# Altium PCB Print.PcbDoc (part 2 of 2)
Units mm, origin at the board's own origin, x right, y up, seen from the top; angles counter-clockwise.
Board outline 140 x 145 mm, 2 copper layers (Top Layer, Bottom Layer), stack 1.57 mm thick; 112 components, 85 nets, 532 pads, 64 vias.
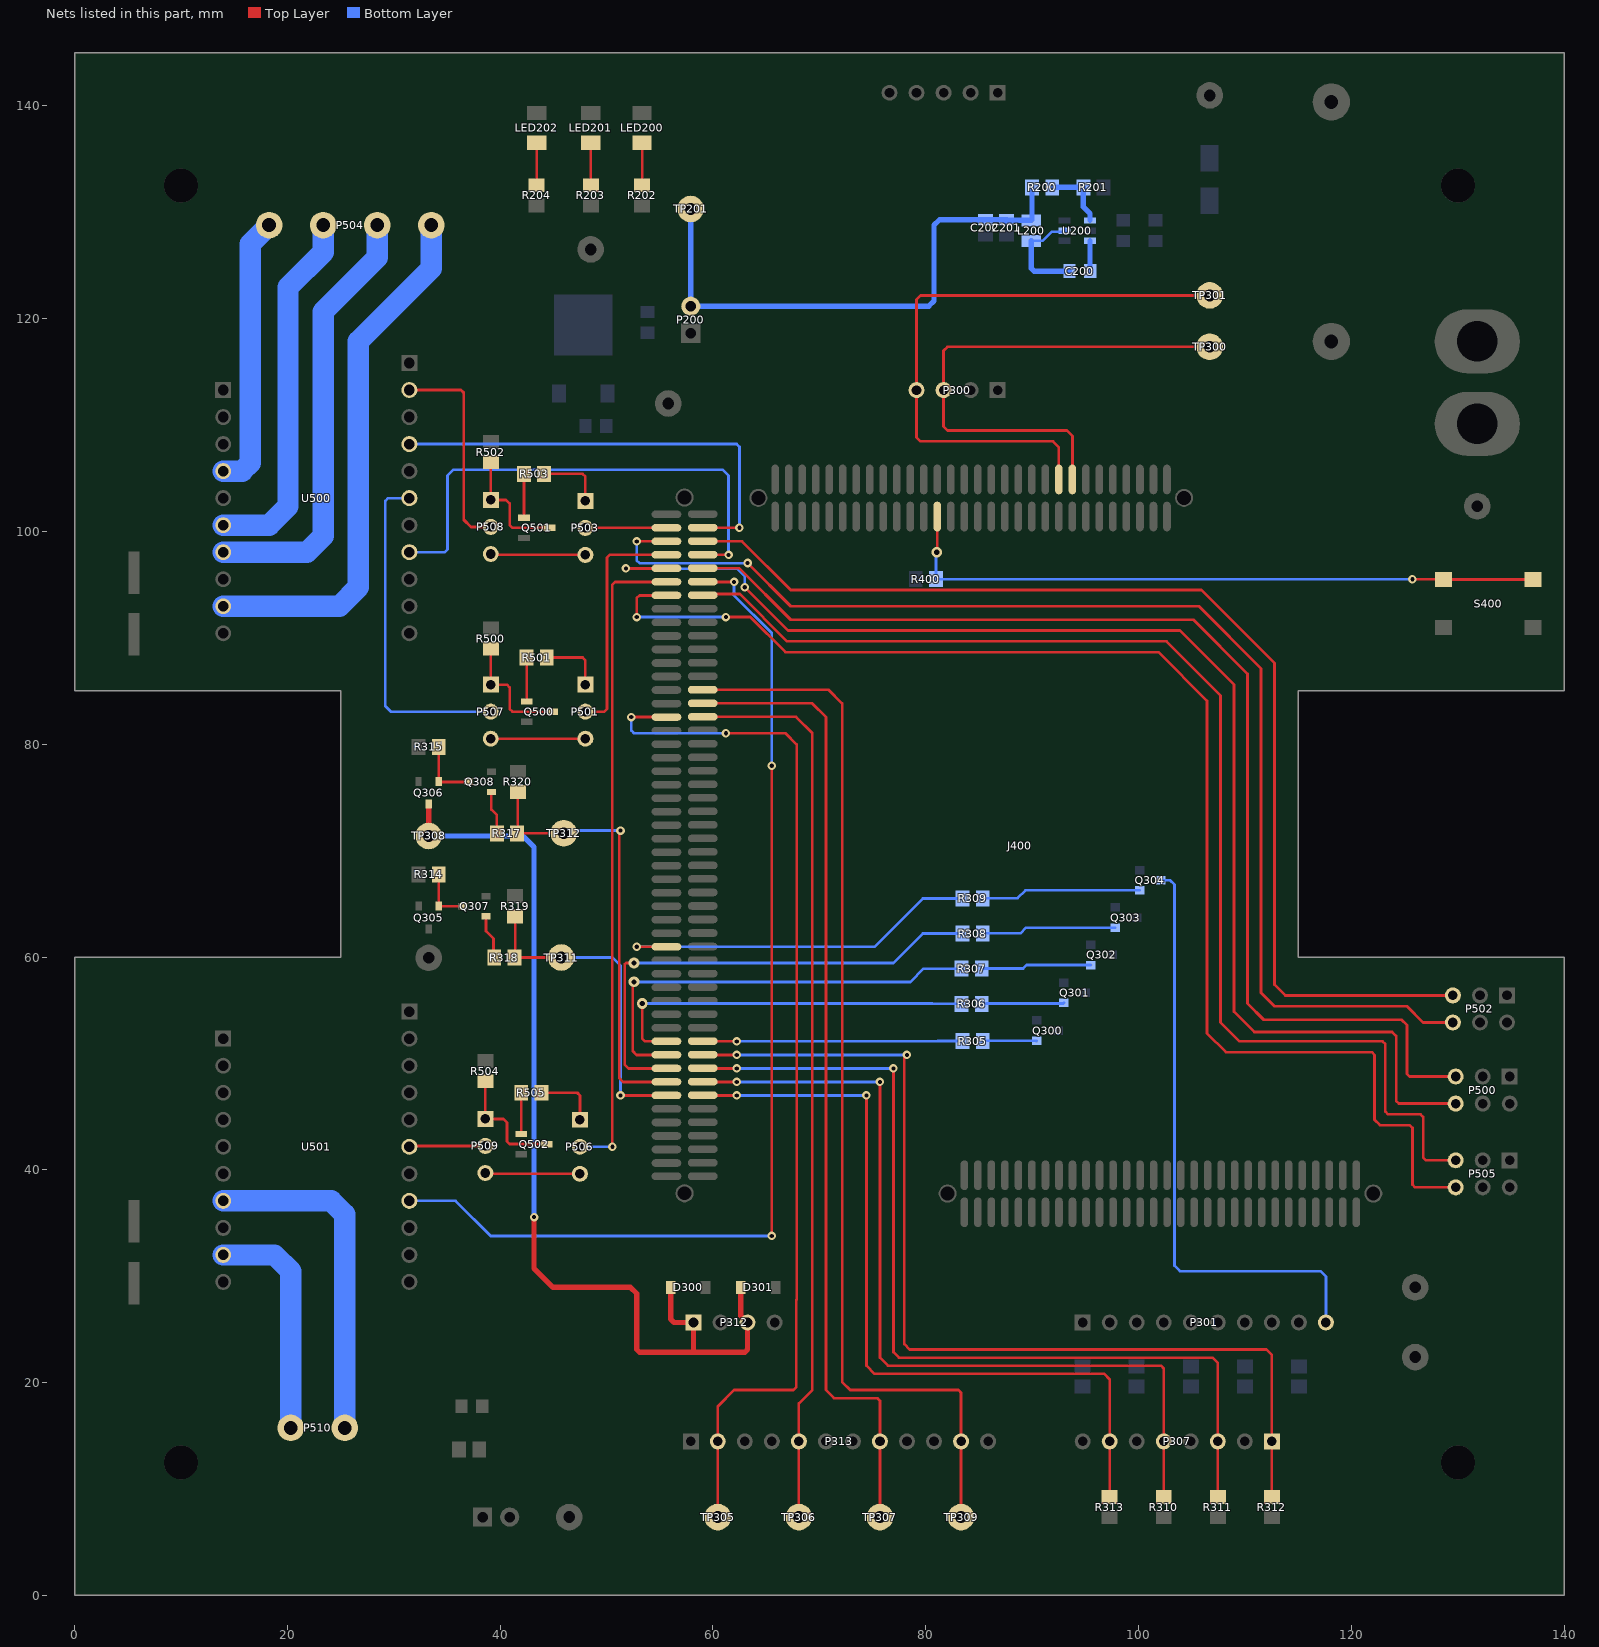
[diagram p2: the nets of this part, all layers, seen from the top]

## Via types
v1: diameter 0.8, hole 0.4, Top Layer to Bottom Layer, 49 vias
v2: diameter 1, hole 0.5, Top Layer to Bottom Layer, 15 vias

## Nets (pads, with @x,y where several pads share a name; then routed paths per layer and width w, separated by ;. In a path a pad name is that pad's centre, name@x,y a point inside that pad or via, vN(x,y) a via of type N, cw(c..) or ccw(c..) an arc to the next point about the centre after c; other vN are vias at no path point) (continued)
LED5-: P301.10 Q304.3 | length 56.2
  Bottom Layer w0.254: Q304.3@102.092,67.216 102.964,67.216 103.378,66.802 103.378,30.988 103.886,30.48 117.094,30.48 117.602,29.972 P301.10@117.602,25.654
LED_1: J400.80 R305.1 | length 24.4
  Top Layer w0.254: J400.80@59.03,52.095 59.055,52.07 v1(62.23,52.07)
  Bottom Layer w0.254: v1(62.23,52.07) 81.075,52.07 81.105,52.1 R305.1@83.45,52.1
LED_2: J400.79 R306.1 | length 35.7
  Top Layer w0.254: v2(53.34,55.626) 53.34,52.324 53.594,52.07 J400.79@55.626,52.07
  Bottom Layer w0.254: v2(53.34,55.626) 80.6,55.626 80.626,55.6 R306.1@83.35,55.6
LED_3: J400.81 R307.1 | length 41.1
  Top Layer w0.254: v2(52.578,57.658) 52.459,57.539 52.459,51.173 52.832,50.8 J400.81@55.626,50.8
  Bottom Layer w0.254: v2(52.578,57.658) 78.542,57.658 79.784,58.9 R307.1@83.35,58.9
LED_4: J400.83 R308.1 | length 46.4
  Top Layer w0.254: v2(52.578,59.436) 51.816,59.436 51.697,59.317 51.697,49.903 52.07,49.53 J400.83@55.626,49.53
  Bottom Layer w0.254: v2(52.578,59.436) 76.962,59.436 79.726,62.2 R308.1@83.45,62.2
LED_5: J400.65 R309.1 | length 35.3
  Top Layer w0.254: v1(52.832,60.96) J400.65@55.626,60.96
  Bottom Layer w0.254: v1(52.832,60.96) 75.184,60.96 79.724,65.5 R309.1@83.45,65.5
MAGNET_ON/OFF: J400.85 R317.2 R320.2 TP312.1 | length 41.5
  Top Layer w0.254: R317.2@41.59,71.628 TP312.1@45.974,71.628 ; R317.2@41.656,71.694 R320.2@41.656,75.504 ; v1(51.308,71.882) 51.189,71.763 51.189,48.633 51.562,48.26 J400.85@55.626,48.26
  Bottom Layer w0.254: TP312.1@45.974,71.628 46.228,71.882 v1(51.308,71.882)
ML_ENC_A: J400.9 P500.6 | length 125
  Top Layer w0.254: v1(51.816,96.52) J400.9@55.626,96.52 ; v1@62.992,94.488 v1(62.992,94.742) 67.056,90.678 103.886,90.678 108.966,85.598 108.966,54.864 110.871,52.959 123.825,52.959 124.206,52.578 124.206,46.482 124.46,46.228 P500.6@129.794,46.228
  Bottom Layer w0.254: v1@51.835,96.501 62.249,96.501 62.992,95.758 v1(62.992,94.742)
ML_ENC_B: J400.10 P500.5 | length 111.4
  Top Layer w0.254: J400.10@59.03,96.545 62.459,96.545 67.31,91.694 105.156,91.694 110.236,86.614 110.236,55.626 111.76,54.102 124.714,54.102 125.222,53.594 125.222,49.022 125.476,48.768 P500.5@129.794,48.768
ML_PWM1+: P504.1 U500.19 | length 50.3
  Bottom Layer w2: U500.19@13.97,92.964 24.892,92.964 26.67,94.742 26.67,117.856 33.528,124.714 P504.1@33.528,128.778
ML_PWM1-: P504.2 U500.17 | length 41.3
  Bottom Layer w2: U500.17@13.97,98.044 21.844,98.044 23.368,99.568 23.368,120.65 28.448,125.73 P504.2@28.448,128.778
ML_PWM+: J400.8 U500.28 | length 47.4
  Top Layer w0.254: J400.8@59.03,97.815 59.055,97.79 v1(61.468,97.79)
  Bottom Layer w0.254: U500.28@31.47,98.044 34.798,98.044 35.052,98.298 35.052,105.252 35.6,105.8 60.9,105.8 61.449,105.251 61.449,97.809 v1(61.468,97.79)
ML_PWM-: J400.7 P501.2 | length 22.1
  Top Layer w0.254: P501.2@48.006,83.058 49.784,83.058 50.038,83.312 50.038,97.536 50.292,97.79 J400.7@55.626,97.79
ML_PWM-_GESCH.: P507.2 U500.26 | length 31.8
  Bottom Layer w0.254: U500.26@31.47,103.124 29.464,103.124 29.21,102.87 29.21,83.566 29.718,83.058 P507.2@39.116,83.058
ML_PWM-_LAD: P507.1 Q500.3 R500.1 | length 11.4
  Top Layer w0.254: R500.1@39.116,88.966 P507.1@39.116,85.598 40.64,85.598 40.894,85.344 40.894,83.312 41.148,83.058 Q500.3@44.888,83.058
ML_PWM-_MAGD: P501.3 P507.3 | length 8.9
  Top Layer w0.254: P507.3@39.116,80.518 P501.3@48.006,80.518
MR_ENC_A: J400.5 P502.6 | length 117.1
  Top Layer w0.254: v1(52.832,99.06) J400.5@55.626,99.06 ; v1(63.246,97.028) 67.31,92.964 105.664,92.964 111.506,87.122 111.506,56.642 112.776,55.372 125.222,55.372 126.746,53.848 P502.6@129.54,53.848
  Bottom Layer w0.254: v1(52.832,99.06) 52.832,97.282 53.105,97.009 63.227,97.009 v1(63.246,97.028)
MR_ENC_B: J400.6 P502.5 | length 105.9
  Top Layer w0.254: J400.6@59.03,99.085 59.055,99.06 62.738,99.06 67.31,94.488 105.918,94.488 112.776,87.63 112.776,57.404 113.792,56.388 P502.5@129.54,56.388
MR_PWM2+: P504.3 U500.16 | length 34.6
  Bottom Layer w2: U500.16@13.97,100.584 18.288,100.584 20.066,102.362 20.066,122.936 23.368,126.238 P504.3@23.368,128.778
MR_PWM2-: P504.4 U500.14 | length 25.9
  Bottom Layer w2: U500.14@13.97,105.664 15.748,105.664 16.51,106.426 16.51,127 P504.4@18.288,128.778
MR_PWM+: J400.4 U500.24 | length 42.2
  Top Layer w0.254: J400.4@59.03,100.355 59.055,100.33 v1(62.484,100.33)
  Bottom Layer w0.254: U500.24@31.47,108.204 62.23,108.204 62.484,107.95 v1(62.484,100.33)
MR_PWM-: J400.3 P503.2 | length 7.6
  Top Layer w0.254: P503.2@48.006,100.33 J400.3@55.626,100.33
MR_PWM-_GESCH.: P508.2 U500.22 | length 20
  Top Layer w0.254: U500.22@31.47,113.284 36.322,113.284 36.576,113.03 36.576,101.092 37.252,100.416 P508.2@39.116,100.416
MR_PWM-_LAD: P508.1 Q501.3 R502.1 | length 11.3
  Top Layer w0.254: R502.1@39.116,106.492 P508.1@39.116,102.956 40.554,102.956 40.894,102.616 40.894,100.584 41.148,100.33 Q501.3@44.634,100.33
MR_PWM-_MAGD: P503.3 P508.3 | length 8.9
  Top Layer w0.254: P508.3@39.116,97.876 39.202,97.79 P503.3@48.006,97.79
MV_ENC_A: J400.13 P505.6 | length 128.8
  Top Layer w0.254: v1(52.832,91.948) 52.832,93.726 53.086,93.98 J400.13@55.626,93.98 ; v1(61.214,91.948) 63.5,91.948 66.802,88.646 101.854,88.646 106.426,84.074 106.426,52.832 108.204,51.054 121.92,51.054 122.174,50.8 122.174,44.704 122.682,44.196 125.476,44.196 125.73,43.942 125.73,38.608 125.984,38.354 P505.6@129.794,38.354
  Bottom Layer w0.254: v1(52.832,91.948) v1(61.214,91.948)
MV_ENC_B: J400.14 P505.5 | length 116.8
  Top Layer w0.254: J400.14@59.03,94.005 59.131,94.107 62.522,94.107 66.967,89.662 102.616,89.662 107.696,84.582 107.696,53.848 109.474,52.07 122.936,52.07 123.19,51.816 123.19,45.466 123.444,45.212 126.492,45.212 126.746,44.958 126.746,41.148 127,40.894 P505.5@129.794,40.894
MV_PWM3+: P510.2 U501.19 | length 21.7
  Bottom Layer w2: U501.19@13.97,32.004 18.796,32.004 20.32,30.48 P510.2@20.32,15.748
MV_PWM3-: P510.1 U501.17 | length 32
  Bottom Layer w2: U501.17@13.97,37.084 24.13,37.084 25.4,35.814 P510.1@25.4,15.748
MV_PWM+: J400.12 U501.28 | length 101.4
  Top Layer w0.254: J400.12@59.03,95.275 59.055,95.25 v1(61.976,95.25) ; v1(65.532,33.782) v1(65.532,77.978)
  Bottom Layer w0.254: U501.28@31.47,37.084 35.814,37.084 39.116,33.782 v1(65.532,33.782) ; v1@61.995,95.231 v1(61.976,95.25) 61.976,93.98 65.532,90.424 v1(65.532,77.978)
MV_PWM-: J400.11 P506.2 | length 61.1
  Top Layer w0.254: v1(50.546,42.164) 50.527,42.183 50.527,72.205 50.546,72.225 50.546,94.996 50.8,95.25 J400.11@55.626,95.25
  Bottom Layer w0.254: P506.2@47.498,42.164 v1(50.546,42.164)
MV_PWM-_GESCH.: P509.2 U501.26 | length 7.1
  Top Layer w0.254: U501.26@31.55,42.244 P509.2@38.608,42.244
MV_PWM-_LAD: P509.1 Q502.3 R504.1 | length 11.3
  Top Layer w0.254: R504.1@38.608,48.326 P509.1@38.608,44.784 40.306,44.784 40.64,44.45 40.64,42.672 40.894,42.418 Q502.3@44.38,42.418
MV_PWM-_MAGD: P506.3 P509.3 | length 8.9
  Top Layer w0.254: P509.3@38.608,39.704 38.688,39.624 P506.3@47.498,39.624
NetC200_1: C200.1 U200.6 | length 2.9
  Bottom Layer w0.5: U200.6@95.434,127.32 95.434,124.489 C200.1@95.463,124.46
NetC200_2: C200.2 L200.1 U200.2 | length 9.9
  Bottom Layer w0.254: L200.1@89.916,127.305 90.983,127.305 91.844,128.166 U200.2@93.034,128.166
  Bottom Layer w0.5: L200.1@89.916,127.305 89.916,124.714 90.17,124.46 C200.2@93.513,124.46 ; U200.2@93.034,128.166 U200.2@93.034,128.27
NetC201_1: C201.1 C202.1 L200.2 P200.2 R200.2 TP201.1 | length 52.1
  Bottom Layer w0.5: TP201.1@57.9,130.3 57.912,130.288 P200.2@57.912,121.158 80.264,121.158 80.772,121.666 80.772,128.778 81.28,129.286 85.332,129.286 85.383,129.235 85.422,129.274 C202.1@85.598,129.274 C201.1@87.594,129.274 ; C201.1@87.376,129.02 87.591,129.235 L200.2@89.916,129.235 ; L200.2@89.982,129.301 R200.2@89.982,132.334
NetD300_1: D300.1 D301.1 P312.1 P312.3 Q306.1 TP308.1 | length 93.6
  Top Layer w0.5: TP308.1@33.274,71.374 Q306.1@33.274,74.363 ; v1(43.18,35.56) 43.18,30.734 44.958,28.956 52.244,28.956 52.832,28.368 52.832,23.114 53.086,22.86 58.1,22.86 ; D300.1@56.016,28.956 56.016,25.984 56.346,25.654 P312.1@58.166,25.654 58.166,22.926 58.1,22.86 ; D301.1@62.62,28.956 62.62,26.28 P312.3@63.246,25.654 63.246,23.114 62.992,22.86 58.1,22.86
  Bottom Layer w0.5: TP308.1@33.274,71.374 42.132,71.374 43.18,70.326 v1(43.18,35.56)
NetJ400_225: J400.225 R400.1 S400.0 | length 61.9
  Top Layer w0.254: v2@81.077,98.095 J400.225@81.077,101.397 ; v1(125.73,95.504) 128.628,95.504 S400.0@128.662,95.47 S400.0@137.062,95.47
  Bottom Layer w0.254: v2@80.96,97.978 R400.1@80.96,95.504 v1(125.73,95.504)
  other v2: 81.026,98.044
NetLED200_2: LED200.2 R202.1 | length 4
  Top Layer w0.254: R202.1@53.34,132.522 LED200.2@53.34,136.522
NetLED201_2: LED201.2 R203.1 | length 4
  Top Layer w0.254: R203.1@48.514,132.522 LED201.2@48.514,136.522
NetLED202_2: LED202.2 R204.1 | length 4
  Top Layer w0.254: R204.1@43.434,132.522 LED202.2@43.434,136.522
NetP501_1: P501.1 R501.2 | length 6
  Top Layer w0.254: R501.2@44.384,88.138 47.752,88.138 48.006,87.884 P501.1@48.006,85.598
NetP503_1: P503.1 R503.2 | length 6.3
  Top Layer w0.254: R503.2@44.13,105.41 47.752,105.41 48.006,105.156 P503.1@48.006,102.87
NetP506_1: P506.1 R505.2 | length 6
  Top Layer w0.254: R505.2@43.876,47.244 47.244,47.244 47.498,46.99 P506.1@47.498,44.704
NetQ300_1: Q300.1 R305.2 | length 5.2
  Bottom Layer w0.254: R305.2@85.35,52.1 85.383,52.133 Q300.1@90.44,52.133 Q300.1@90.377,52.07
NetQ301_1: Q301.1 R306.2 | length 7.8
  Bottom Layer w0.254: R306.2@85.25,55.6 85.276,55.626 92.917,55.626 Q301.1@92.98,55.689
NetQ302_1: Q302.1 R307.2 | length 10.4
  Bottom Layer w0.254: R307.2@85.25,58.9 85.278,58.928 89.154,58.928 89.471,59.245 Q302.1@95.52,59.245
NetQ303_1: Q303.1 R308.2 | length 12.7
  Bottom Layer w0.254: R308.2@85.35,62.2 85.38,62.23 88.9,62.23 89.424,62.754 Q303.1@97.806,62.754
NetQ304_1: Q304.1 R309.2 | length 15.2
  Bottom Layer w0.254: R309.2@84.836,65.532 R309.2@85.024,65.532 ; R309.2@85.35,65.5 85.382,65.532 88.632,65.532 89.363,66.263 Q304.1@100.092,66.263
NetQ305_3: Q305.3 Q307.1 R314.1 | length 5.3
  Top Layer w0.254: Q305.3@34.232,64.775 R314.1@34.232,67.764 ; Q305.3@34.237,64.77 Q307.1@36.525,64.77
NetQ306_3: Q306.3 Q308.1 R315.1 | length 6
  Top Layer w0.254: Q306.3@34.224,76.513 R315.1@34.224,79.756 ; Q306.3@34.283,76.454 Q308.1@37.025,76.454
NetQ307_3: Q307.3 R318.1 | length 4.1
  Top Layer w0.254: Q307.3@38.675,63.82 38.675,62.425 39.378,61.722 R318.1@39.378,60.018
NetQ308_3: Q308.3 R317.1 | length 4.1
  Top Layer w0.254: Q308.3@39.175,75.504 39.175,73.855 39.69,73.34 R317.1@39.69,71.628
NetQ500_1: Q500.1 R501.1 | length 4.1
  Top Layer w0.254: Q500.1@42.484,84.012 R501.1@42.484,88.138
NetQ501_1: Q501.1 R503.1 | length 4.1
  Top Layer w0.254: R503.1@42.23,105.41 42.23,101.284 Q501.1@42.234,101.28
NetQ502_1: Q502.1 R505.1 | length 3.9
  Top Layer w0.254: R505.1@41.976,47.244 41.976,43.372 Q502.1@41.98,43.368
NetR200_1: R200.1 R201.2 U200.4 | length 6.3
  Bottom Layer w0.5: R200.1@91.882,132.334 R201.2@94.808,132.334 94.808,130.49 95.434,129.864 U200.4@95.434,129.22
OPT_1: J400.31 P313.2 TP305.1 | length 99.6
  Top Layer w0.254: v1(52.324,82.55) J400.31@55.626,82.55 ; TP305.1@60.452,7.366 P313.2@60.452,14.478 60.452,17.78 61.976,19.304 67.564,19.304 67.818,19.558 67.818,27.751 67.865,27.798 67.865,79.963 66.802,81.026 v1(61.214,81.026)
  Bottom Layer w0.254: v1(52.324,82.55) 52.324,81.28 52.578,81.026 v1(61.214,81.026)
OPT_2: J400.32 P313.5 TP306.1 | length 85.1
  Top Layer w0.254: J400.32@59.03,82.575 67.793,82.575 69.342,81.026 69.342,19.304 68.072,18.034 P313.5@68.072,14.478 TP306.1@68.072,7.366
OPT_3: J400.30 P313.8 TP307.1 | length 91.8
  Top Layer w0.254: J400.30@59.03,83.845 69.317,83.845 70.612,82.55 70.612,19.304 71.374,18.542 75.438,18.542 75.692,18.288 P313.8@75.692,14.478 TP307.1@75.692,7.366
OPT_4: J400.28 P313.11 TP309.1 | length 100.7
  Top Layer w0.254: J400.28@59.03,85.115 70.841,85.115 72.136,83.82 72.136,20.066 72.898,19.304 83.058,19.304 83.312,19.05 P313.11@83.312,14.478 TP309.1@83.312,7.366
OPT_ON/OFF: J400.87 R318.2 R319.2 TP311.1 | length 30.6
  Top Layer w0.254: R318.2@41.344,59.952 TP311.1@45.728,59.952 ; R318.2@41.41,60.018 R319.2@41.41,63.82 ; v1(51.308,46.99) J400.87@55.626,46.99
  Bottom Layer w0.254: TP311.1@45.728,59.952 50.538,59.952 51.308,59.182 v1(51.308,46.99)
SCHALTER1+: J400.88 P307.7 R313.2 | length 75.3
  Top Layer w0.254: J400.88@59.03,47.015 59.055,46.99 v1(62.23,46.99) ; v1(74.422,46.99) 74.422,21.59 75.184,20.828 96.774,20.828 97.282,20.32 P307.7@97.282,14.478 R313.2@97.282,9.248
  Bottom Layer w0.254: v1(62.23,46.99) v1(74.422,46.99)
TASTER1+: J400.86 P307.5 R310.2 | length 81.8
  Top Layer w0.254: J400.86@59.03,48.285 59.055,48.26 v1(62.23,48.26) ; v1(75.692,48.26) 75.692,22.352 76.454,21.59 102.108,21.59 102.362,21.336 P307.5@102.362,14.478 R310.2@102.362,9.248
  Bottom Layer w0.254: v1(62.23,48.26) v1(75.692,48.26)
TASTER2+: J400.84 P307.3 R311.2 | length 88.1
  Top Layer w0.254: J400.84@59.03,49.555 59.055,49.53 v1(62.23,49.53) ; v1(76.962,49.53) 76.962,22.86 77.47,22.352 106.934,22.352 107.442,21.844 P307.3@107.442,14.478 R311.2@107.442,9.248
  Bottom Layer w0.254: v1(62.23,49.53) 76.911,49.53 76.937,49.555 v1(76.962,49.53)
TASTER3+: J400.82 P307.1 R312.2 | length 94.8
  Top Layer w0.254: J400.82@59.03,50.825 59.055,50.8 v1(62.23,50.8) ; v1(78.232,50.8) 77.978,50.546 77.978,23.622 78.486,23.114 112.014,23.114 112.522,22.606 P307.1@112.522,14.478 R312.2@112.522,9.248
  Bottom Layer w0.254: v1(62.23,50.8) v1(78.232,50.8)
WIFI_RX: J400.246 P300.3 TP300.1 | length 48.9
  Top Layer w0.254: J400.246@93.777,104.877 93.777,108.966 93.269,109.474 82.042,109.474 81.668,109.848 P300.3@81.668,113.282 81.668,116.974 82.042,117.348 TP300.1@106.68,117.348
WIFI_TX: J400.244 P300.4 TP301.1 | length 57.5
  Top Layer w0.254: J400.244@92.507,104.877 92.507,107.899 91.948,108.458 79.502,108.458 79.128,108.832 P300.4@79.128,113.282 79.128,121.8 79.502,122.174 TP301.1@106.68,122.174
pads on no net: J400. J400.15 J400.16 J400.17 J400.18 J400.19 J400.20 J400.21 J400.22 J400.23 J400.24 J400.25 J400.26 J400.27 J400.33 J400.34 J400.35 J400.36 J400.37 J400.38 J400.39 J400.40 J400.41 J400.42 J400.43 J400.44 J400.45 J400.46 J400.47 J400.48 J400.49 J400.50 J400.51 J400.52 J400.53 J400.54 J400.55 J400.56 J400.57 J400.58 J400.59 J400.60 J400.61 J400.62 J400.63 J400.64 J400.66 J400.67 J400.68 J400.69 J400.70 J400.71 J400.72 J400.73 J400.74 J400.75 J400.76 J400.77 J400.78 J400.89 J400.90 J400.91 J400.92 J400.93 J400.94 J400.95 J400.96 J400.97 J400.98 J400.103 J400.104 J400.105 J400.106 J400.107 J400.108 J400.109 J400.110 J400.111 J400.112 J400.113 J400.114 J400.115 J400.116 J400.117 J400.118 J400.119 J400.120 J400.121 J400.122 J400.123 J400.124 J400.125 J400.126 J400.127 J400.128 J400.129 J400.130 J400.131 J400.132 J400.133 J400.134 J400.135 J400.136 J400.137 J400.138 J400.139 J400.140 J400.141 J400.142 J400.143 J400.144 J400.145 J400.146 J400.147 J400.148 J400.149 J400.150 J400.151 J400.152 J400.153 J400.154 J400.155 J400.156 J400.157 J400.158 J400.206 J400.207 J400.208 J400.209 J400.210 J400.211 J400.212 J400.213 J400.214 J400.215 J400.216 J400.217 J400.218 J400.219 J400.220 J400.221 J400.222 J400.223 J400.224 J400.226 J400.227 J400.228 J400.229 J400.230 J400.231 J400.232 J400.233 J400.234 J400.235 J400.236 J400.237 J400.238 J400.239 J400.240 J400.241 J400.242 J400.243 J400.245 J400.247 J400.248 J400.249 J400.250 J400.251 J400.252 J400.253 J400.254 J400.255 J400.256 J400.257 J400.258 P300.2 P306.3 P306.4 P306.5 P500.1 P500.2 P502.1 P502.2 P505.1 P505.2 SC300.0 SC301.0 SC302.0 SC303.0 U501.14 U501.16 U501.22 U501.24
copper on no net: | length 20.1
  Bottom Layer w0.254: 53.9,89.318 51.035,92.183 51.035,98.367 52.509,99.841 55.735,99.841 58.8,102.906 58.8,103.1

## Polygon pours and split planes (outlines as drawn)
GND on Top Layer "GND_L01_P000" (solid, pour order 0): 1,144 139,144 139,86 114.5,86 114.5,59.5 139,59.5 139,1 1,1 1,59 25,59 25,86 1,86 1,144
GND on Bottom Layer "GND_L02_P002" (solid, pour order 2): 1,144 139,144 139,86 114.5,86 114.5,59.5 139,59.5 139,1 1,1 1,59 25,59 25,86 1,86 1,144

## Keep-outs
Keep-Out Layer:
  lines w0.254: 25,60 0,60 0,0 140,0 140,60 115,60 115,85 140,85 140,145 0,145 0,85 25,85 25,60 ; 25,60 25,60

## Other copper
Top Layer:
  pour cut-out: 126.7,53.6 126.4,53.3 126.4,49.2 125.8,49.2 125.4,49.6 125.4,53.8 126.4,53.8 126.6,53.6
  pour cut-out: 126.4,41 127,40.4 127,40.247 128.347,40.247 128.6,40.5 128.7,40.4 129.1,40.4 129.1,40.3 129.7,39.7 129.6,39.6 129.6,39.3 129.4,39.3 129,38.9 129,38.7 128.5,38.7 128.3,38.5 126.5,38.5 126.2,38.8 126.2,40.8
  pour cut-out: 124.8,48.7 125.2,48.7 125.5,48.4 128.4,48.4 128.9,47.9 129.5,47.9 129.8,47.6 129.7,47.5 129.7,47.3 129.3,47.3 128.875,46.875 124.875,46.875 124.7,46.7 124.5,46.9 124.5,48.4
  pour cut-out: 128.8,55.9 129.5,55.2 129,54.7 128.3,54.7 127.8,54.2 127.7,54.3 127,54.3 125.4,55.9
  pour cut-out: 120,40.869 119.869,41 84.7,41 84.6,41.1 84.6,41.8 119.9,41.8 119.9,41.053 119.944,41.009
  pour cut-out: 104.2,91 109.7,85.5 109.7,86.4 109.8,86.5 105,91.3 105,91.4 104.7,91.4 104.3,91
  pour cut-out: 103.1,89.6 108.3,84.4 108.6,84.7 108.6,85.4 103.6,90.4 103.6,90.2 103.1,89.7
  pour cut-out: 67.2,94.1 67.2,93.5 67.4,93.3 106,93.3 106,93.6 105.5,94.1
  pour cut-out: 94.2,107.1 102.1,107.1 102.1,106.4 94.3,106.4 94.2,106.5
  pour cut-out: 79.3,108.2 68,108.2 67.9,108.1 67.9,106.3 79.148,106.3 79.2,106.248 79.352,106.4 79.4,106.4 79.4,107 79.5,107.1 79.3,107.3
  pour cut-out: 79.3,108.2 79.3,106.3 79.4,106.4 92.2,106.4 92.2,107.7 92.1,107.7 91.6,108.2
  pour cut-out: 81.724,99.337 81.761,99.3 101.9,99.3 101.8,99.4 101.8,99.898 81.8,99.898 81.724,99.822
  pour cut-out: 101.8,99.898 100.098,99.898 100,99.8 99.902,99.898 81.5,99.898 81.5,98.6 81.8,98.3 81.8,97.9 81.3,97.4 80.6,97.4 80.2,97.8 80.2,98.2 80.4,98.4 80.4,98.8 80.6,99 80.4,99.2 80.4,99.898 68.898,99.898 68.8,99.8 68.8,98.2 69,98 68.8,97.8 68.8,97.3 68.6,97.1 67.1,97.1 67,97 67,96.4 67.33,96.4 67.93,95.8 69.5,95.8 69.5,99.1 69.7,99.3 80.4,99.3
  pour cut-out: 63.8,53.3 63.9,53.2 63.9,39.9 63.8,39.8 63.7,39.9 60.6,39.9 60.6,46.6 60.5,46.7 61.7,46.7 62,46.4 62.762,46.4 63.115,46.753 62.8,47.068 62.8,52.5 62,53.3
  pour cut-out: 62,80.6 61.9,80.5 61.9,52.7 61.7,52.5 60.6,52.5 60.6,80.2 61,80.6
  pour cut-out: 80.2,113.2 80.3,113.1 80.7,113.1 80.7,112.7 81.3,112.1 81.3,109.3 81.6,109 81.5,108.9 79.6,108.9 79.5,109 79.5,112.4 80.2,113.1
  pour cut-out: 77.9,51.4 72.6,51.4 72.5,51.5 72.5,20.2 73.1,19.6 83.1,19.6 83.1,20.5 75.1,20.5 74,21.6 74,46.117 73.7,46.417 73.7,47.1 74.438,47.838 74.746,47.838 74.746,48.146 75.5,48.9 76.2,48.9 76.2,49.43 76.6,49.83 76.6,50.1 77.3,50.1 77.4,50.2 77.342,50.258 77.342,50.842
  pour cut-out: 61.4,82.2 61.6,82 61.6,81.6 61.9,81.6 62.1,81.4 67,81.4 68.3,80.1 68.326,80.1 68.326,19.226 68.4,19.3 68.8,19.3 68.8,19.7 69.1,20 69.1,42.6 68.9,42.8 68.9,80.9 68.5,80.9 67.2,82.2
  pour cut-out: 69.5,84.8 69.6,84.7 70.7,84.7 71.8,83.6 71.8,19.7 72.2,19.3 72.1,19.2 72.1,18.8 71.7,18.8 71,19.5 71,82.8 69.3,84.5 69.2,84.5
  pour cut-out: 40.374,106.668 41.072,106.668 41.072,104.152 41.583,104.152 41.583,102.717 41.5,102.8 41,102.8 40.5,103.3 40.1,103.3 40.1,103.9 40,104 39.6,104 39.6,105.6 40.1,105.6 40.1,106.394
  pour cut-out: 37.223,109.55 37.892,109.55 38,109.442 37.966,109.408 37.966,105.5 38.542,105.5 38.6,105.442 38.6,103.9 38.1,103.9 38,103.8 38.1,103.7 38.1,101.9 38.7,101.9 38.9,101.7 38.6,101.4 38.6,101.1 38.3,101.1 38,100.8 37.9,100.9 37.2,100.9 37.2,109.527
  pour cut-out: 52.646,94.603 51.193,94.603 51.193,72.89 51.8,72.284 51.8,71.586 52.041,71.345 51.6,70.905 51.6,60.8 51.8,61 52.1,61 52.1,61.2 52.5,61.6 53.3,61.6 53.6,61.3 54.3,61.3 54.3,61.9 54,62.2 54.1,62.3 54.1,63.2 53.969,63.331 53.969,66.569 54.2,66.8 54.1,66.9 54.1,81.9 54,82 52,82 51.8,82.2 51.8,84.3 54.2,84.3 54.1,84.4 54.1,91.4 53.9,91.6 53.4,91.6 53.4,91.394 53.069,91.063 52.732,91.4 52.3,91.4 52.3,91.9 52.2,92 52.4,92.2 52.4,93.8 52.7,94.1 52.685,94.115 52.685,94.476
  pour cut-out: 48.5,96.9 49,96.9 49.7,96.2 49.8,96.3 49.8,97.9 50.1,97.9 50.4,98.2 52.4,98.2 52.368,98.232 52.368,99.7 48.9,99.7 48.8,99.8 48.1,99.1 48.1,99 48.9,98.2 48.8,98.1 48.8,97.2
  pour cut-out: 49.53,82.6 49.33,82.4 48.6,82.4 48,81.8 48.7,81.1 48.7,81 48.9,80.8 48.9,80 48.6,80 48.006,79.406 48.006,79.249 48.151,79.249 48.9,78.5 49.3,78.9 49.3,79.4 49.6,79.4 49.7,79.3 49.899,79.499 49.899,82.499 50,82.6
  pour cut-out: 28.1,75.9 29.2,75.9 29.2,30.7 29.1,30.8 28.1,30.8
  pour cut-out: 30.4,120.4 30.3,120.3 30.3,117.9 29.8,117.9 29.3,117.4 29.3,77.1 29.2,77 28.1,77 28.1,118.6 29.7,120.2 30.2,120.2 30.3,120.3 30.3,120.2
  pour cut-out: 24.5,60.5 25,60 25.5,60 25.5,59 24,59 24,60
  pour cut-out: 84,34.5 84,32.5 120,32.5 120,34.5
Bottom Layer:
  pour cut-out: 99.317,130.807 99.4,130.724 99.4,127.816 99.516,127.7 100.8,127.7 100.8,129.836 100.736,129.9 100.835,129.999 100.835,130.807
  pour cut-out: 90.5,131.1 90.5,129.9 90.6,129.8 91.066,129.8 91.066,128.634 91.2,128.5 91.8,128.5 91.8,128.8 92.1,129.1 92.1,129.7 93.905,129.7 94.133,129.928 94.133,131.333 94.2,131.4 93.7,131.9 93.371,131.9 92.971,131.5 90.9,131.5
  pour cut-out: 118.828,25.326 118.9,25.253 118.9,20 116.2,20 115.9,20.3 115.9,22.4 115.574,22.4 115.3,22.674 115.3,24.8 115.5,24.8 116.2,25.5 116.3,25.4 116.5,25.4 116.5,25.023 116.823,24.7 117.8,24.7 118.426,25.326
  pour cut-out: 114.5,23.8 114.2,23.5 114.2,20.7 113.6,20.1 111.132,20.1 111.132,22.168 110.8,22.5 110.4,22.5 110.4,24.7 111.1,25.4 111.1,25.7 111.3,25.7 111.9,25.1 111.9,24.8 112.2,24.8 112.3,24.7 112.5,24.9 113.356,24.9 113.856,25.4 114,25.4 114,24.3
  pour cut-out: 105.4,24.8 105.4,23.6 105.3,23.5 105.4,23.4 106.5,23.4 106.5,25.4 106.4,25.5 105.9,25.5 105.9,25.3
  pour cut-out: 106.001,25.02 106.001,24.401 105.4,23.8 105.549,23.651 105.549,22.451 106.16,21.84 106.16,20.389 108.711,20.389 108.9,20.2 109.1,20.4 109.1,22.6 109.5,23 109.5,24.8 108.7,25.6 108.541,25.441 108.541,25.02 107.72,25.02 107.5,24.8 107.28,25.02
  pour cut-out: 100.3,22.6 100.2,22.5 100.5,22.2 100.8,22.2 100.8,20.172 100.972,20 101.072,20.1 104,20.1 104,22.352 104.222,22.574 104.5,22.574 104.5,24.8 103.7,25.6 103.5,25.6 103.5,25.5 102.8,24.8 101.8,24.8 101.333,25.267 100.933,25.267 100.8,25.4 100.3,24.9
  pour cut-out: 95.1,22.574 95.574,22.1 95.892,22.1 95.892,20.497 96.289,20.1 99,20.1 99,22.252 98.9,22.352 99.175,22.627 99.175,25.075 99.2,25.1 98.8,25.5 98.4,25.5 97.916,25.016 97.916,24.555 97.145,24.555 96.545,25.155 96.127,25.155 96.127,25.273 96,25.4 95.1,24.5
  pour cut-out: 112.9,30.1 117.1,30.1 117.2,30 117.2,26.5 116.6,25.9 116.1,25.9 116.1,26 115.5,26.6 114.7,26.6 114.3,26.2 114.3,25.9 114.1,25.7 113.7,25.7 113.419,25.981 113.419,26.551 113.151,26.551 113.1,26.5 113,26.6 113,27.2 112.8,27.4 112.8,28.422 112.522,28.7 112.9,29.078
  pour cut-out: 107.7,29.1 107.7,27.3 108.2,26.8 108.2,26 108.5,25.7 108.781,25.981 108.781,26.041 108.941,26.041 109.5,26.6 110.1,26.6 110.4,26.3 110.6,26.3 110.859,26.041 111.321,26.041 111.38,26.1 111.6,26.1 111.6,26.526 111.826,26.753 111.875,26.753 111.875,26.975 112,27.1 112,28.323 111.875,28.448 112,28.573 112,29.2 111.9,29.3 110.2,29.3 110,29.1
  pour cut-out: 102.8,28.5 102.8,27.87 102.83,27.9 103.9,27.9 103.9,28.4 103.7,28.6 103.409,28.309 102.821,28.309
  pour cut-out: 102.6,28.3 102.6,26.9 103.2,26.3 103.2,26.1 103.4,25.9 103.541,26.041 103.841,26.041 104.3,26.5 104.9,26.5 105.2,26.2 105.8,26.2 106.2,25.8 106.4,25.8 106.6,26 106.6,26.558 107,26.958 107,27.84 106.783,28.057 106.783,28.417 106.7,28.5 103.6,28.5 103.3,28.2 102.5,28.2
  pour cut-out: 97.929,27.989 97.929,26.529 97.9,26.5 98.5,25.9 98.5,26.126 98.925,26.551 98.976,26.5 100.564,26.5 101.1,25.964 101.1,25.7 101.2,25.7 101.8,26.3 101.8,26.8 102,27 102,27.5 101.9,27.5 101.6,27.8 99.1,27.8 98.911,27.989
  pour cut-out: 99.134,65.355 99.134,64.434 99.1,64.4 99.3,64.2 100.6,64.2 101.5,63.3 101.5,30.5 101.9,30.1 103.5,30.1 102.9,30.7 102.9,66.5 100.9,66.5 100.9,65.6 100.655,65.355
  pour cut-out: 96.848,61.846 96.848,61.048 96.8,61 96.9,60.9 98.4,60.9 99.3,60 99.6,60 99.6,59.6 99.7,59.5 99.7,29.6 100.8,29.6 100.7,29.7 100.7,62.8 100.4,63.1 98.6,63.1 98.6,62.1 98.346,61.846
  pour cut-out: 94.562,58.337 94.562,57.162 94.5,57.1 94.6,57 98.2,57 98.667,56.533 98.667,59.667 98.5,59.5 96.5,59.5 96.5,58.7 96.137,58.337
  pour cut-out: 92.022,54.781 92,54.759 92,53.6 96.9,53.6 97.7,52.8 97.7,56 97.5,56.2 94.488,56.2 93.7,55.412 93.7,55.1 93.381,54.781
  pour cut-out: 53,59 53.1,58.9 53.1,58.1 55.2,58.1 55.3,58 78.4,58 78.4,58.2 79.6,59.4 79.7,59.3 82.4,59.3 82.4,61.8 79.9,61.8 76.962,58.862 76.962,58.789 53.311,58.789 53.1,59
  pour cut-out: 53.5,60.6 74.9,60.6 75,60.5 75.6,61.1 76,61.1 80,65.1 82.5,65.1 82.4,65 82.4,62.6 82.3,62.5 79.5,62.5 76.8,59.8 53.5,59.8 53.4,59.7 53,60.1
  pour cut-out: 19.2,99.6 21.5,99.6 21.6,99.5 22,99.9 22.1,99.9 22.1,102.4 22,102.5 22.1,102.6 22.1,121 27.2,126.1 27.2,129.8 26.973,130.027 24.617,130.027 24.617,129.483 24.9,129.2 24.8,129.1 24.8,126 21.6,122.8 21.6,118.8 21.3,118.5 21.3,101.8 19.2,99.7
  pour cut-out: 27.5,77.5 27.5,75.2 32.4,75.2 32.4,77.524 32.324,77.6 32.224,77.5

## Silkscreen, mask and mechanical layers (free items; w line width, h text height)
Top Overlay:
  lines w0.254: 61.52,111.519 61.52,143.002 ; 61.528,111.502 101.528,111.502 ; 61.528,143.002 101.528,143.002 101.528,111.601
  text "WIFI" at 95.2,140.6 h3
  text "MR" at 17.9,137.8 h5
  text "ML" at 28.6,137.8 h5
  text "- +" at 16.3,134.4 h3
  text "- +" at 26.884,134.4 h3
  text "MR" at 139.6,53.2 h3 r90
  text "ML" at 139.6,45.7 h3 r90
  text "MV" at 139.6,37.8 h3 r90
  text "Magnet" at 67.6,24.8 h3
  text "LED" at 87.8,24.8 h3
  text "-" at 60.3,22.7 h3
  text "-" at 65.5,22.7 h3
  text "L2" at 101.2,22.6 h2.25
  text "L3" at 106.3,22.6 h2.25
  text "L4" at 111.4,22.6 h2.25
  text "L5" at 116.5,22.6 h2.25
  text "+" at 57.6,22.5 h3
  text "+" at 62.8,22.5 h3
  text "-" at 94.3,22.5 h3
  text "L1" at 96.1,22.5 h2.25
  text "-" at 99.5,22.5 h3
  text "-" at 104.5,22.5 h3
  text "-" at 109.652,22.5 h3
  text "-" at 114.752,22.5 h3
  text "T1" at 101.2,16.2 h2.25
  text "T2" at 106.3,16.2 h2.25
  text "T3" at 111.4,16.2 h2.25
  text "-" at 94.3,16.1 h3
  text "S1" at 96.1,16.1 h2.25
  text "-" at 99.5,16.1 h3
  text "-" at 104.5,16.1 h3
  text "-" at 109.652,16.1 h3
  text "OPT" at 50.7,13.6 h3
  text "Taster" at 114.3,13.6 h3
  text "-" at 62.6,11.1 h3
  text "1" at 60,11 h2.25
  text "2" at 67.6,11 h2.25
  text "-" at 70.4,11 h3
  text "3" at 75.3,11 h2.25
  text "4" at 82.7,11 h2.25
  text "+" at 57.4,10.9 h3
  text "-" at 77.9,10.9 h3
  text "+" at 65.2,10.8 h3
  text "-" at 85.5,10.8 h3
  text "+" at 72.7,10.7 h3
  text "+" at 80.3,10.6 h3
  text "LDR" at 39.8,9.8 h2.25
  text "+" at 37.7,9.5 h3
  text "+ -" at 18.6,7.2 h3
  text "MV" at 19.7,3.3 h5
Bottom Overlay:
  text "SYSP17_Team10 / 1704, Elektronik:  /           M.Mettler /           N. Dürr /           L. Gertschen" at 100.9,69.7 h2.5
Mechanical 1:
  the board outline again, w0

## Text inside footprints (layer, text, board x,y; h text height)
300: Bottom Overlay "Interstaatliche Hochschule" at 100.902,85.202 h2.25; Bottom Overlay "für Technik Buchs" at 100.898,83.304 h2.25; Bottom Overlay "FHO Fachhochschule Ostschweiz" at 100.898,80.439 h1.88; Bottom Overlay "NTB" at 100.902,87.833 h4.87; Bottom Solder "Interstaatliche Hochschule" at 100.902,85.202 h2.25; Bottom Solder "für Technik Buchs" at 100.898,83.304 h2.25; Bottom Solder "FHO Fachhochschule Ostschweiz" at 100.898,80.439 h1.88; Bottom Solder "NTB" at 100.902,87.833 h4.87
J400: Top Overlay "0" at 55.626,103.1 h1.52 r90; Top Overlay "1" at 82.126,36.068 h1.52 r180; Top Overlay "2" at 64.337,101.448 h1.52 r180
P500: Top Overlay "6" at 128.27,46.736 h1.27 r180; Top Overlay "5" at 128.27,49.276 h1.27 r180; Top Overlay "2" at 137.414,46.736 h1.27 r180; Top Overlay "1" at 136.906,49.276 h1.27 r180
P502: Top Overlay "6" at 128.016,54.356 h1.27 r180; Top Overlay "5" at 128.016,56.896 h1.27 r180; Top Overlay "2" at 137.16,54.356 h1.27 r180; Top Overlay "1" at 136.652,56.896 h1.27 r180
P505: Top Overlay "6" at 128.27,38.862 h1.27 r180; Top Overlay "5" at 128.27,41.402 h1.27 r180; Top Overlay "2" at 137.414,38.862 h1.27 r180; Top Overlay "1" at 136.906,41.402 h1.27 r180